# Altium PCB FSAES-22-E17 Temp Module PCB.PcbDoc (part 2 of 3) (continued)
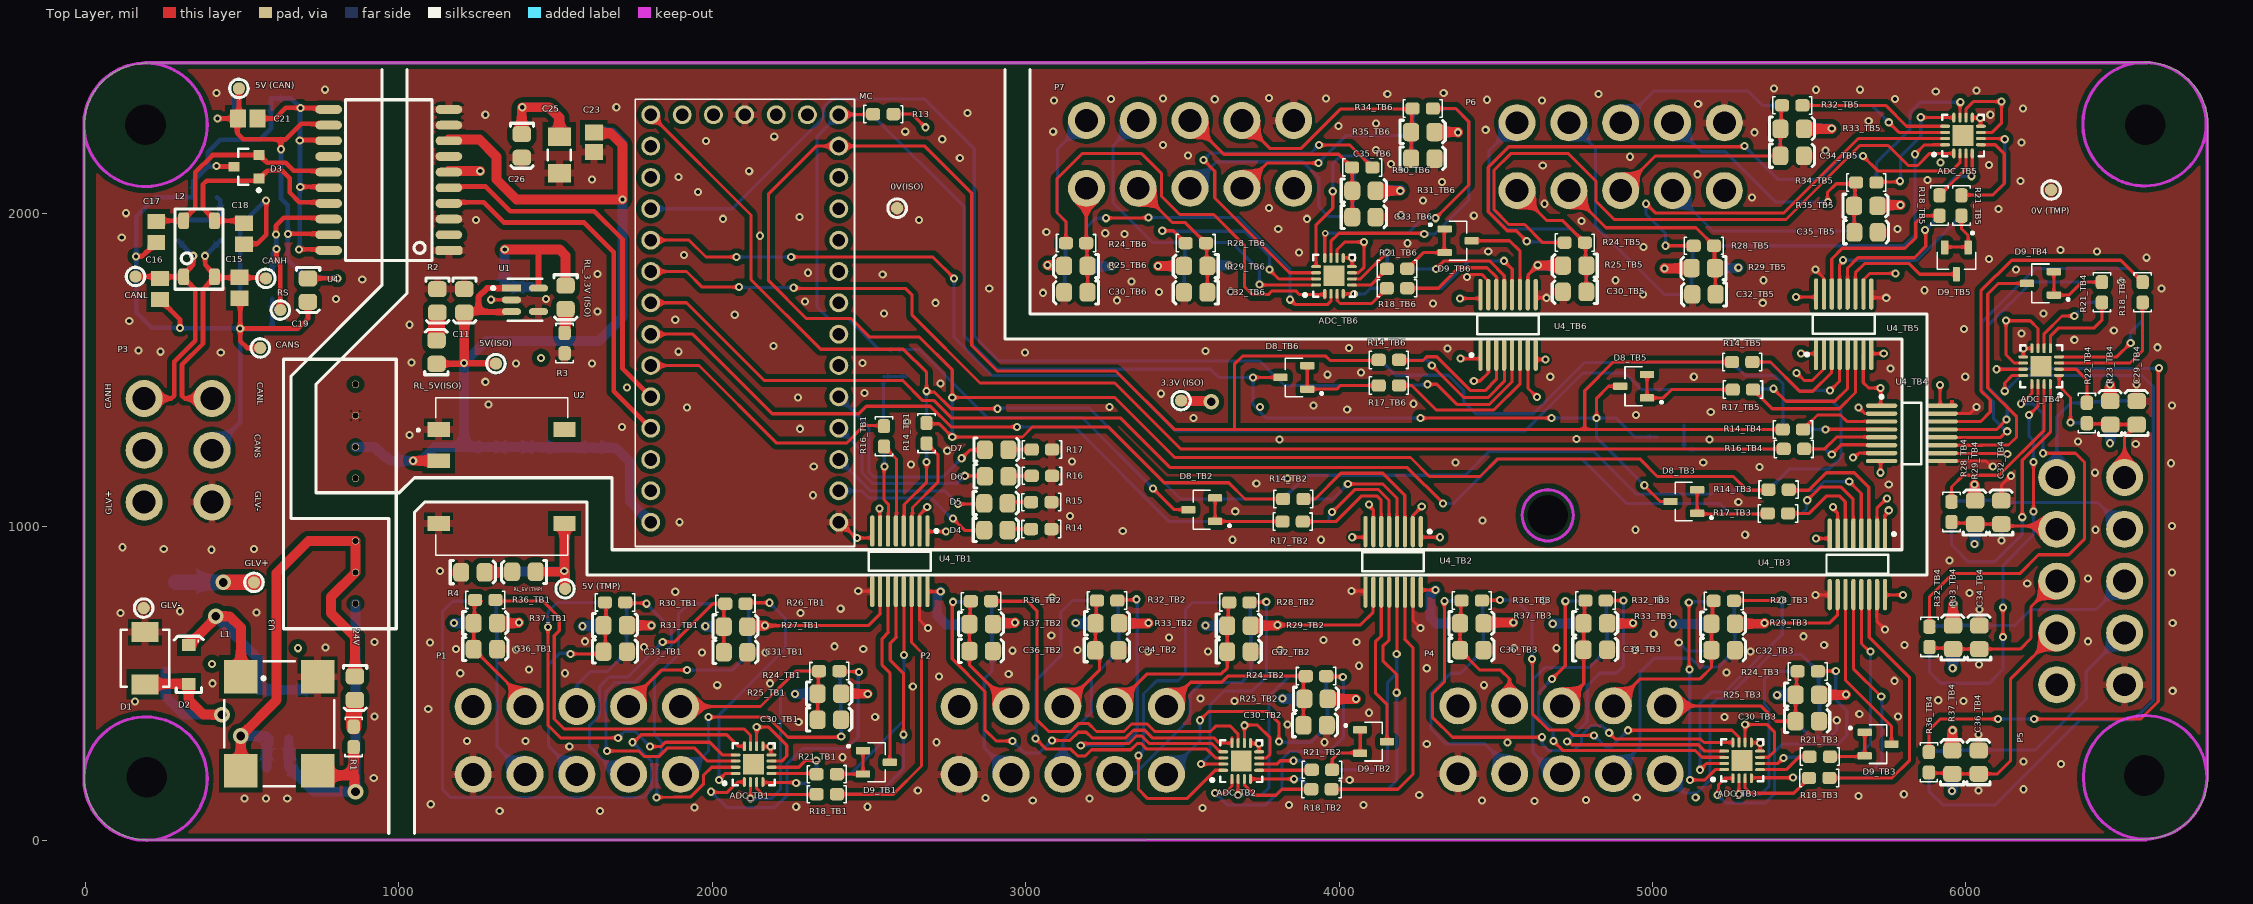
[diagram p0: Top Layer view]
## Nets (pads, with @x,y where several pads share a name; then routed paths per layer and width w, separated by ;. In a path a pad name is that pad's centre, name@x,y a point inside that pad or via, vN(x,y) a via of type N, cw(c..) or ccw(c..) an arc to the next point about the centre after c; other vN are vias at no path point) (continued)
"CS (ADC)_TB6": ADC_TB6.13 R20_TB6.1 | length 146.8
  Top Layer w10: ADC_TB6.13@4013.61,1742.46 4047.54,1742.46 v1(4048,1742)
  Bottom Layer w10: v1(4048,1742) 4082,1742 4100.47,1760.47 R20_TB6.1@4152.61,1760.47
"CS (SIGNAL ISO)_TB1": R20_TB1.2 U4_TB1.12 | length 837.8
  Top Layer w10: U4_TB1.12@2586,793.09 2586,648.38 2587.4,646.98 2568,627.57 2568,574 2610,532 v1(2610,336)
  Bottom Layer w10: R20_TB1.2@2398.48,146 2530,146 2610,226 v1(2610,336)
"CS (SIGNAL ISO)_TB2": R20_TB2.2 U4_TB2.12 | length 846.8
  Top Layer w10: U4_TB2.12@4160,791.09 4160,638 4140,618 4140,572 4184,528 v1(4184,470)
  Bottom Layer w10: R20_TB2.2@3976.43,162 4156,162 4184,190 v1(4184,470)
"CS (SIGNAL ISO)_TB3": R20_TB3.2 U4_TB3.12 | length 758.6
  Top Layer w10: U4_TB3.12@5641.21,783.09 5641.21,546.79 v1(5730,458)
  Bottom Layer w10: R20_TB3.2@5564.48,198 5678,198 5732,252 5732,456 v1(5730,458)
"CS (SIGNAL ISO)_TB4": R20_TB4.2 U4_TB4.12 | length 1201.1
  Top Layer w10: U4_TB4.12@5924,1284.8 6110.55,1284.8 ; 6111.01,1285.4 6129.61,1304 v1(6132,1304)
  Bottom Layer w10: v1(6132,1304) 6128.41,1304 6088.49,1343.92 6088.49,1397.51 6052,1434 6052,1654 6222,1824 6520.48,1824 6546.36,1798.12 6546.69,1798.12 6564,1780.81 R20_TB4.2@6564,1780.48
"CS (SIGNAL ISO)_TB5": R20_TB5.2 U4_TB5.12 | length 489.1
  Top Layer w10: U4_TB5.12@5622.41,1732 5622.41,1824.82 5655.59,1858 5836,1858 5872,1894 5872,1944 v1(5870,1946)
  Bottom Layer w10: v1(5870,1946) 5898.36,1974.36 5898.69,1974.36 5916,1991.67 R20_TB5.2@5916,1992
"CS (SIGNAL ISO)_TB6": R20_TB6.2 U4_TB6.12 | length 475.2
  Top Layer w10: v1(4526,1848) 4526,1847.67 4552.6,1821.08 U4_TB6.12@4552.6,1728.46
  Bottom Layer w10: R20_TB6.2@4217.57,1760.47 4328.47,1760.47 4416,1848 v1(4526,1848)
CTX1: MC.22 U4.5 | length 1165.3
  Top Layer w15: U4.5@1158.02,2085 1277,2085 1356,2006 1624,2006 1714,1916 1714,1504 MC.22@1804,1414
G1: 0V(ISO).1 C6.2 C7.1 C8.1 C9.1 C10.2 C11.1 C12.2 C23.1 C24.2 C25.2 C26.2 C27.2 C28.2 MC.G1 MC.G2 R2.1 R3.1 R14.1 R15.1 R16.1 R17.1 U1.2 U1.4 U2.1 U3.7 U4.1 U4.3 U4.7 U4.9 U4.10 U4_TB1.2 U4_TB1.8 U4_TB2.2 U4_TB2.8 U4_TB3.2 U4_TB3.8 U4_TB4.2 U4_TB4.8 U4_TB5.2 U4_TB5.8 U4_TB6.2 U4_TB6.8 | length 1144.5
  Top Layer w10: v1(1294,1724) 1294.3,1723.7 1359.06,1723.7 U1.2@1359.36,1723.4 ; MC.G1@2404,1014 2408,1014 2458,964 2510.27,964 U4_TB1.8@2511.81,962.46 ; U4_TB1.2@2662.99,962.46 2662.31,963.14 2662.31,1038.31 v1(2686,1062) ; v1(4042,966) 4082.27,966 U4_TB2.8@4083.81,964.46 ; U4_TB2.2@4234.99,964.46 4234.99,1034.99 v1(4264,1064) ; v1(4430,1464) 4430.79,1464.79 4450.79,1464.79 4475.12,1489.12 4475.12,1489.32 4477.01,1491.21 U4_TB6.2@4477.01,1535.54 ; U4_TB6.8@4628.19,1535.54 4628.19,1534.65 4629.93,1532.9 v1(4658.42,1532.9) ; v1(5460,1490) 5484,1466 5510,1466 5545.32,1501.32 5545.32,1502.87 5546.82,1504.36 U4_TB5.2@5546.82,1539.09 ; v1(5522,962) 5563.59,962 U4_TB3.8@5564.87,960.71 ; v1(5658,1380) 5677.01,1360.99 U4_TB4.2@5753.54,1360.99 ; U4_TB5.8@5698,1539.09 5698,1549.86 5700.14,1552 v1(5738,1552) ; U4_TB3.2@5716.05,960.71 5716.05,1058.05 v1(5748,1090) ; v1(5728,1172) 5728,1207.47 5729.89,1209.35 U4_TB4.8@5754,1209.35
  other v1: 3660,958 3942,958 2462,964 5296,974 3310,986 4946,990 1896,1014 4458,1020 3142,1034 3668.81,1048.8 5274,1078 2322,1100 5754,1134 3736,1138 3836,1154 5342,1190 2324,1192 2634,1198 4372,1204 5162,1204 3148,1208 2750,1242 3810,1278 5182,1278 4758,1280 1034,1292 2280,1312 1712,1318 2622,1334 3536,1346 4948,1356 5186,1366 4026,1374 1920,1380 3268,1382 3918,1386 1286,1390 4238,1392 2274,1412 3432,1424 2486,1426 1728,1444 2728,1456 1276,1462 4674,1478 5132,1478 3963.04,1484.7 4070,1492 5760,1504 1374,1520 1616,1520 2480,1522 1040,1524 2998,1556 1892,1558 3574,1560 4346,1568 4032,1570 2196,1576 1034,1644 1882,1660 2072,1676 2548,1680 1634,1686 2712,1714 2296,1718 1470,1726 2884,1760 2544,1804 1634,1806 2306,1810 1910,1866 2152,1928 1246,1978 2660.16,1978 2034,1982 2278,1988 1955.19,2067.02 1616,2108 1892,2116 2118,2134 2790,2176 1980,2230 2734,2236 2198,2244 2616,2260 1276,2314 2814,2320 1694,2338
GLV+: F1.1 GLV+.1 P3.1 | length 256.1
  Top Layer w50: P3.1@187.46,1078 P3.1@191.8,1073.66 ; v3(440,822) GLV+.1@538,822
  Bottom Layer w50: F1.1@288,822 v3(440,822)
GLV-: C1.1 C2.1 C3.2 D1.1 GLV-.1 L1.4 P3.4
  other v1: 508,132 576,132 644,132 920,198 922,394 158,442 406,500 766,614 922,632 112,724 546,726 302,730 402,926 250,928 538,928 118,934 432,1556 240,1558 170,1562 140,1656 800,1726 883.3,1788.37 116,1922 130,2000 418,2384 764,2394
LED1: D4.A MC.0 | length 516.6
  Top Layer w10: v1(2768,1026) 2806,988 2867,988 D4.A@2868,989
  Bottom Layer w10: MC.0@2404,1114 2477.03,1114 2500,1091.03 2698.97,1091.03 2764,1026 v1(2768,1026)
LED2: D5.A MC.1 | length 523.6
  Top Layer w10: v1(2784,1072) 2866,1072 D5.A@2868,1074
  Bottom Layer w10: MC.1@2404,1214 2504,1114 2742,1114 v1(2784,1072)
LED3: D6.A MC.2 | length 597.6
  Top Layer w10: v1(2806,1162) D6.A@2868,1162 ; D6.A@2864,1166 D6.A@2868,1162 ; D6.A@2870,1160 D6.A@2868,1162 ; D6.A@2870,1162 D6.A@2868,1162
  Bottom Layer w10: MC.2@2404,1314 2478,1240 2478,1171.28 2511.28,1138 2782,1138 v1(2806,1162)
LED4: D7.A MC.3 | length 692
  Top Layer w10: v1(2796,1218) 2822,1244 2869,1244 D7.A@2870,1245
  Bottom Layer w10: MC.3@2404,1414 2500,1318 2500,1174.74 2516.74,1158 2736,1158 v1(2796,1218)
MISO: D8_TB1.3 D8_TB2.3 D8_TB3.3 D8_TB4.3 D8_TB5.3 D8_TB6.3 MC.12 R13.1 | length 6142.3
  Top Layer w10: MC.12@2404,2314 2405,2315 2512.52,2315 R13.1@2513.52,2316 ; v1(3406,1122) 3474,1054 D8_TB2.3@3519.28,1054 ; v1(3726,1476) D8_TB6.3@3813.28,1476 ; v1(4260,1346) v1(4678,1346) ; v1(4822,1346) 4822,1410 4860,1448 D8_TB5.3@4878,1448 ; D8_TB5.3@4896.28,1449 D8_TB5.3@4897.28,1448 ; v1(4974,1131.99) 4974,1130.43 5024.43,1080 D8_TB3.3@5057.28,1080
  Bottom Layer w10: v1(3406,1122) 3180,1348 2878,1348 2661.28,1564.72 D8_TB1.3@2584,1564.72 2532.9,1564.72 2433.62,1664 2371.7,1664 2334,1701.69 2334,2244 MC.12@2404,2314 2510,2314 2804,2020 2804,1608 2910,1502 3590,1502 3616,1476 v1(3726,1476) 3726,1388 3768,1346 v1(4260,1346) ; v1(4678,1346) v1(4822,1346) ; v1(4974,1131.99) 4822,1283.99 v1(4822,1346) ; D8_TB4.3@5015.28,1286 4944,1286 4884,1346 v1(4822,1346)
  other v1: 3748,1382
"MISO (ADC)_TB1": ADC_TB1.12 R21_TB1.2 | length 145
  Top Layer w10: ADC_TB1.12@2189.09,212.47 2330.57,212.47 R21_TB1.2@2333.04,210
"MISO (ADC)_TB2": ADC_TB2.12 R21_TB2.2 | length 185.5
  Top Layer w10: ADC_TB2.12@3745.09,222.47 R21_TB2.2@3925.56,222.47 ; R21_TB2.2@3909.56,220.47 R21_TB2.2@3913.09,224
"MISO (ADC)_TB3": ADC_TB3.12 R21_TB3.2 | length 175.6
  Top Layer w10: ADC_TB3.12@5343.09,224.47 5426.47,224.47 5468,266 R21_TB3.2@5501.52,266
"MISO (ADC)_TB4": ADC_TB4.12 R21_TB4.2 | length 280.9
  Top Layer w10: ADC_TB4.12@6269.53,1569.09 6269.53,1607.53 6296,1634 6410,1634 6434,1658 R21_TB4.2@6434,1715.04
"MISO (ADC)_TB5": ADC_TB5.12 R21_TB5.2 | length 333.1
  Top Layer w10: R21_TB5.2@5986,2058 6086,2058 6122.6,2094.6 6122.6,2189.4 6119.67,2192.33 6093.69,2218.32 ADC_TB5.12@6048,2218.32
"MISO (ADC)_TB6": ADC_TB6.12 R21_TB6.2 | length 133.3
  Top Layer w10: ADC_TB6.12@4041.09,1770.47 4100.65,1770.47 4135.02,1804.83 4135.02,1805.17 4152.32,1822.47 R21_TB6.2@4152.65,1822.47
"MISO (SIGNAL ISO)_TB1": D9_TB1.3 U4_TB1.11 | length 564.3
  Top Layer w10: U4_TB1.11@2560.8,793.09 2560.8,664.01 2562.2,662.61 2542,642.4 2542,558 2566.72,533.28 D9_TB1.3@2566.72,248
"MISO (SIGNAL ISO)_TB2": D9_TB2.3 U4_TB2.11 | length 500.1
  Top Layer w10: U4_TB2.11@4134.8,791.09 4134.8,650.8 4116,632 4116,470 4152.72,433.28 D9_TB2.3@4152.72,314
"MISO (SIGNAL ISO)_TB3": D9_TB3.3 U4_TB3.11 | length 537.9
  Top Layer w10: 5616,509.32 5762.72,362.6 D9_TB3.3@5762.72,306 ; 5616.02,509.33 U4_TB3.11@5616.02,783.09
"MISO (SIGNAL ISO)_TB4": D9_TB4.3 U4_TB4.11 | length 882.4
  Top Layer w10: U4_TB4.11@5924,1259.61 6052.33,1259.61 6052.93,1260.2 6136.2,1260.2 6162,1286 6162,1350 6070,1442 6070,1742 6104,1776 D9_TB4.3@6195.28,1776
"MISO (SIGNAL ISO)_TB5": D9_TB5.3 U4_TB5.11 | length 427
  Top Layer w10: U4_TB5.11@5647.61,1732 5647.61,1809.61 5678,1840 5818,1840 5852.72,1805.28 D9_TB5.3@5970,1805.28
"MISO (SIGNAL ISO)_TB6": D9_TB6.3 U4_TB6.11 | length 318.8
  Top Layer w10: D9_TB6.3@4422.72,1912 4544,1912 4577.8,1878.2 U4_TB6.11@4577.8,1728.46
MOSI: MC.11 R14_TB1.1 R14_TB2.1 R14_TB3.1 R14_TB4.1 R14_TB5.1 R14_TB6.1 | length 10503.7
  Top Layer w10: R14_TB1.1@2684,1328 2724,1328 v1(2766,1286) 2990,1286 3022,1318 3264,1318 3442,1140 3648,1140 3700,1088 R14_TB2.1@3821.52,1088 ; 3473.7,1310.64 3287.92,1496.42 2909.58,1496.42 2828,1578 2828,2064 2678,2214 MC.11@2404,2214 2332,2214 2180,2062 2180,1784 2300,1664 2443.39,1664 2502.89,1604.5 2661.5,1604.5 2766,1500 v1(2766,1412) 3284.34,1412 3475.92,1220.42 4227.92,1220.42 4288.35,1159.98 4449.98,1159.98 4506,1216 4959.84,1216 5015.85,1159.98 5258.35,1159.98 5302.34,1116 R14_TB3.1@5370,1116 ; 3474.4,1309.94 3666,1309.94 3666,1518 3692,1544 3957.57,1544 3971.71,1529.86 R14_TB6.1@4126.55,1529.86 ; 3667,1309.94 4633.49,1309.94 ; 4634.49,1309.94 4784,1309.94 ; R14_TB5.1@5253.71,1525.21 4875.21,1525.21 4784,1434 4784,1309.94 ; R14_TB4.1@5415.67,1309.94 4784,1309.94
  Bottom Layer w10: v1(2766,1286) v1(2766,1412)
"MOSI (ADC)_TB1": ADC_TB1.14 R18_TB1.1 | length 220.3
  Top Layer w10: ADC_TB1.14@2141.84,184.91 2141.84,164.39 2161.35,144.88 2331.92,144.88 R18_TB1.1@2333.04,146
"MOSI (ADC)_TB2": ADC_TB2.14 R18_TB2.1 | length 254
  Top Layer w10: ADC_TB2.14@3697.84,194.91 3697.84,176.16 3731,143 3799,143 3818,162 R18_TB2.1@3911.47,162
"MOSI (ADC)_TB3": ADC_TB3.14 R18_TB3.1 | length 262.2
  Top Layer w10: ADC_TB3.14@5295.84,196.91 5295.84,165.74 5312.47,149.12 5450.64,149.12 5481.88,180.36 5481.88,180.69 5499.19,198 R18_TB3.1@5499.52,198
"MOSI (ADC)_TB4": ADC_TB4.14 R18_TB4.1 | length 436.6
  Top Layer w10: ADC_TB4.14@6297.09,1521.84 6523.84,1521.84 6564,1562 R18_TB4.1@6564,1715.04
"MOSI (ADC)_TB5": ADC_TB5.14 R18_TB5.1 | length 169.1
  Top Layer w10: R18_TB5.1@5916,2056.96 5916,2057.29 5933.31,2074.6 5933.64,2074.6 6000.76,2141.72 ADC_TB5.14@6000.76,2190.76
"MOSI (ADC)_TB6": ADC_TB6.14 R18_TB6.1 | length 204.5
  Top Layer w10: ADC_TB6.14@3993.84,1742.91 3993.92,1742.83 3993.92,1721.28 4003.2,1712 4104.13,1712 4134.97,1742.83 4134.97,1743.17 4152.27,1760.47 R18_TB6.1@4152.61,1760.47
"MOSI (SIGNAL ISO)_TB1": R18_TB1.2 U4_TB1.14 | length 877.5
  Top Layer w10: R18_TB1.2@2398,146 2578,146 2668,236 2668,598.4 2636.39,630.01 U4_TB1.14@2636.39,793.09
"MOSI (SIGNAL ISO)_TB2": R18_TB2.2 U4_TB2.14 | length 871.6
  Top Layer w10: R18_TB2.2@3976.43,162 4188,162 4236,210 4236,614 4209.8,640.2 4210.39,640.8 U4_TB2.14@4210.39,791.09
"MOSI (SIGNAL ISO)_TB3": R18_TB3.2 U4_TB3.14 | length 861.3
  Top Layer w10: R18_TB3.2@5564.48,198 5764,198 5820.43,254.43 5820.43,517.57 5691.61,646.39 U4_TB3.14@5691.61,783.09
"MOSI (SIGNAL ISO)_TB4": R18_TB4.2 U4_TB4.14 | length 1151
  Top Layer w10: U4_TB4.14@5924,1335.2 6047.2,1335.2 6078,1366 6078,1404 6048,1434 6048,1752 6146,1850 6494,1850 6546.36,1797.64 6546.69,1797.64 6564,1780.33 R18_TB4.2@6564,1780
"MOSI (SIGNAL ISO)_TB5": R18_TB5.2 U4_TB5.14 | length 545.6
  Top Layer w10: U4_TB5.14@5572.02,1737.67 5572.02,1854.02 5606,1888 5806,1888 5840,1922 5840,1970 5862,1992 R18_TB5.2@5916,1992
"MOSI (SIGNAL ISO)_TB6": R18_TB6.2 U4_TB6.14 | length 392.2
  Top Layer w10: R18_TB6.2@4217.57,1760.47 4316.47,1760.47 4382,1826 4472,1826 4502.93,1795.07 4502.93,1729.18 U4_TB6.14@4502.2,1728.46
Net24V_K: 24V.K R1.2 | length 89.2
  Top Layer w50: R1.2@856,361.48 856,446.48 856.59,447.07 24V.K@859.97,447.07
NetADC_TB1_1: ADC_TB1.1 R26_TB1.1 | length 793.5
  Top Layer w10: v1(2022,192) 2042.47,212.47 ADC_TB1.1@2064.17,212.47 ; R26_TB1.1@2114.48,756 2115.48,757 v1(2183,757)
  Bottom Layer w10: v1(2022,192) 2022,400 2234,612 2234,706 v1(2183,757)
NetADC_TB1_2: ADC_TB1.2 R28_TB1.1 | length 1091
  Top Layer w10: v1(1822,136) 1932,138 1934.93,140.93 1972,178 1972,206 1998,232 ADC_TB1.2@2062.91,232
  Bottom Layer w10: v1(1822,136) 1824,138 1824,267.74 1838,281.74 1838,313.46 1816,335.46 1816,516 1892,592 1892,720 1926,754 R28_TB1.1@2041.47,754
NetADC_TB1_3: ADC_TB1.3 R30_TB1.1 | length 1141.8
  Top Layer w10: v1(1664,284) 1766,284 1784,266 1830,266 1858,294 1942.88,294 1985.04,251.84 ADC_TB1.3@2074.91,251.84 ; R30_TB1.1@1728.48,768 1728.48,767.27 1739.75,756 1788,756 v1(1790,754)
  Bottom Layer w10: v1(1664,284) 1661.43,286.57 1661.43,473.43 1690,502 1751.59,502 1869.99,620.41 1869.99,674.01 v1(1790,754)
NetADC_TB1_4: ADC_TB1.4 R32_TB1.1 | length 1218.1
  Top Layer w10: v1(1476,680) 1476,366 1515.99,326.01 v2(1700,326.01) ; v2(1802,298) 1836.54,298 1850.54,312 1992,312 2032.47,271.53 ADC_TB1.4@2074.91,271.53
  Bottom Layer w10: v1(1476,680) 1476,728 1506,758 R32_TB1.1@1653.52,758 ; v2(1700,326.01) 1719.98,345.99 1754.01,345.99 v2(1802,298)
NetADC_TB1_5: ADC_TB1.5 R34_TB1.1 | length 1951.2
  Top Layer w10: v1(1746,312) 1749.59,312 1773.59,336 2046,336 2082.91,299.09 ADC_TB1.5@2102.47,299.09
  Bottom Layer w10: R34_TB1.1@1263.52,762 1243.52,762 1172,762 1140,730 1140,160 1164,136 1782,136 1806,160 1806,252 v1(1746,312)
NetADC_TB1_6: ADC_TB1.6 R36_TB1.1 | length 1219
  Top Layer w10: R36_TB1.1@1328.48,762 1329.48,763 1459,763 1512,710 1512,668 1496,652 1496,386 1528,354 2102,354 2122.16,333.84 ADC_TB1.6@2122.16,299.09
NetADC_TB1_15: ADC_TB1.15 R22_TB1.1 | length 631.3
  Top Layer w10: v1(2122,132) 2122.08,132.08 2122.08,184.83 ADC_TB1.15@2122.16,184.91
  Bottom Layer w10: v1(2122,132) 2188,132 2218,162 2218,488 2268.8,538.8 R22_TB1.1@2340.81,538.8
NetADC_TB1_16: ADC_TB1.16 R24_TB1.1 | length 1034
  Top Layer w10: v1(1996,154) 1998,152 2048,152 2080.91,184.91 ADC_TB1.16@2102.47,184.91 ; R24_TB1.1@2405.82,538.8 2407.22,537.4 2466.6,537.4 v1(2468,536)
  Bottom Layer w10: v1(1996,154) 2046,104 2200,104 2239.12,143.12 2239.12,243.12 2288,292 2428,292 2466,330 2466,534 v1(2468,536)
NetADC_TB2_1: ADC_TB2.1 R26_TB2.1 | length 1145.4
  Top Layer w10: v1(3360,270) 3360,162 3390,132 3514.68,132 3605.08,222.39 3630.83,222.39 ADC_TB2.1@3630.91,222.47
  Bottom Layer w10: v1(3360,270) 3376,286 3376,466 3418,508 3486,508 3510,532 3510,736 3532,758 R26_TB2.1@3649.52,758
NetADC_TB2_2: ADC_TB2.2 R28_TB2.1 | length 782.2
  Top Layer w10: v1(3560,242) 3560.08,242.08 3630.83,242.08 ADC_TB2.2@3630.91,242.16 ; R28_TB2.1@3714.48,758 3715.48,759 3767,759 v1(3768,760)
  Bottom Layer w10: v1(3560,242) 3588,270 3588,430 3634,476 3724,476 3768,520 v1(3768,760)
NetADC_TB2_3: ADC_TB2.3 R30_TB2.1 | length 1224.2
  Top Layer w10: v1(3032,324) 3066,290 3144,290 3166,268 3190,268 3210,288 3336,288 3356,308 3368.54,308 3386.54,290 3578,290 3606.16,261.84 ADC_TB2.3@3630.91,261.84
  Bottom Layer w10: v1(3032,324) 3034,326 3034,510 3112,588 3112,726 3150,764 R30_TB2.1@3227.52,764
NetADC_TB2_4: ADC_TB2.4 R32_TB2.1 | length 1161.7
  Top Layer w10: v1(3176,302) 3180.33,302 3186.33,308 3330,308 3354,332 3370,332 3394,308 3593.77,308 ADC_TB2.4@3620.17,281.61 ; R32_TB2.1@3292.48,764 3294.48,766 3352,766 v1(3354,768)
  Bottom Layer w10: v1(3176,302) 3312,302 3356,346 3356,766 v1(3354,768)
NetADC_TB2_5: ADC_TB2.5 R34_TB2.1 | length 1408.6
  Top Layer w10: v1(2768,760) 2766,758 2766,578 2870,474 2870,352 2906,316 v2(2958,316) ; v2(3084,318.01) 3141.46,318.01 3167.46,344 3194,344 3212,326 3320,326 3344,350 3380,350 3404,326 3601.23,326 3618.14,309.09 ADC_TB2.5@3658.47,309.09 3658.47,326.14
  Bottom Layer w10: v1(2768,760) 2824,760 R34_TB2.1@2826,762 ; v2(2958,316) 2996,278 3043.99,278 v2(3084,318.01)
NetADC_TB2_6: ADC_TB2.6 R36_TB2.1 | length 1252.8
  Top Layer w10: R36_TB2.1@2890,762 3006,762 3036,732 3036,384 3074,346 3144,346 3170,372 3200,372 3226,346 3314,346 3338,370 3388,370 3412,346 3590,346 3608,364 3652,364 3678.16,337.84 ADC_TB2.6@3678.16,309.09
NetADC_TB2_15: ADC_TB2.15 R22_TB2.1 | length 595.1
  Top Layer w10: v1(3678,144) 3678,184.09 3678.08,184.17 3678.08,194.83 ADC_TB2.15@3678.16,194.91
  Bottom Layer w10: v1(3678,144) 3754,144 3776,166 3776,458 3841.03,523.03 R22_TB2.1@3894.05,523.03
NetADC_TB2_16: ADC_TB2.16 R24_TB2.1 | length 903.6
  Top Layer w10: v1(3603.94,150.06) 3636.06,150.06 3658.47,172.47 ADC_TB2.16@3658.47,194.91 ; R24_TB2.1@3959.06,523.03 3960.57,521.52 4010.48,521.52 v1(4012,520)
  Bottom Layer w10: v1(3603.94,150.06) 3605.73,150.06 3643.79,112 3766,112 3818,164 3818,258 3842,282 3968,282 4014,328 4014,518 v1(4012,520)
NetADC_TB3_1: ADC_TB3.1 R26_TB3.1 | length 758.9
  Top Layer w10: v1(5116,758) 5117,757 5117,545 v1(5118,544) ; v1(5120,192) 5167.54,192 5200.01,224.47 ADC_TB3.1@5218.17,224.47
  Bottom Layer w10: v1(5116,758) 5118,760 5192,760 R26_TB3.1@5194,762 ; v1(5118,544) 5119,543 5119,193 v1(5120,192)
NetADC_TB3_2: ADC_TB3.2 R28_TB3.1 | length 915.6
  Top Layer w10: v1(5152,224) 5172.16,244.16 ADC_TB3.2@5228.91,244.16 ; R28_TB3.1@5260.02,762.97 5261.53,764.48 5412.48,764.48 v1(5414,766)
  Bottom Layer w10: v1(5152,224) 5152,436 5188,472 5230,472 5414,656 v1(5414,766)
NetADC_TB3_3: ADC_TB3.3 R30_TB3.1 | length 1132.9
  Top Layer w10: v1(4680,514) 4722,556 v1(4722,762) ; v1(4684,316) 4714,286 5136,286 5158.16,263.84 ADC_TB3.3@5228.91,263.84
  Bottom Layer w10: v1(4680,514) 4636,470 4636,396 4683.21,348.79 4683.21,316.79 v1(4684,316) ; v1(4722,762) 4723,763 4785,763 R30_TB3.1@4786,764
NetADC_TB3_4: ADC_TB3.4 R32_TB3.1 | length 1125.6
  Top Layer w10: v1(4728,314) 4731.85,314 4741.85,304 5146,304 5166.47,283.53 ADC_TB3.4@5228.91,283.53 ; R32_TB3.1@4850.96,764 v1(4908,764)
  Bottom Layer w10: v1(4728,314) 4792,378 4792,492 4832,532 4884,532 4908,556 v1(4908,764)
NetADC_TB3_5: ADC_TB3.5 R34_TB3.1 | length 1526.5
  Top Layer w10: v1(4336,762) 4336,504 4298,466 4298,392 4362,328 v2(4648,328) ; v2(4862,342) 4882,322 5153.46,322 5164.37,311.09 ADC_TB3.5@5256.47,311.09
  Bottom Layer w10: v1(4336,762) 4337,763 4390.04,763 R34_TB3.1@4391.04,764 ; v2(4648,328) 4648,306 4667.99,286.01 4750.01,286.01 4774,310 4774,334.54 4804.73,365.27 4838.73,365.27 v2(4862,342)
  other v1: 4537.53,311.58
NetADC_TB3_6: ADC_TB3.6 R36_TB3.1 | length 1244.9
  Top Layer w10: R36_TB3.1@4456,764 4457,765 4513,765 v1(4514,766) ; v1(4616,578) 4616.84,577.16 4616.84,403.16 4668.8,351.2 4730.39,351.2 4747.59,334 v2(4814,334) ; v2(4922,350) 5254,350 5276.16,327.84 ADC_TB3.6@5276.16,311.09
  Bottom Layer w10: v1(4514,766) 4564,766 4616,714 v1(4616,578) ; v2(4814,334) 4851.24,296.76 4868.76,296.76 v2(4922,350)
NetADC_TB3_15: ADC_TB3.15 R22_TB3.1 | length 610.3
  Top Layer w10: v1(5276,146) 5276.24,146.24 ADC_TB3.15@5276.24,186.17
  Bottom Layer w10: v1(5276,146) 5346,146 5364,164 5372,172 5372,418 5358,432 5358,514 5382,538 R22_TB3.1@5463.52,538
NetADC_TB3_16: ADC_TB3.16 R24_TB3.1 | length 955.7
  Top Layer w10: v1(5208,144) 5211.06,147.06 5211.06,177.06 5230.91,196.91 ADC_TB3.16@5256.47,196.91 ; R24_TB3.1@5528,538 5529,539 v1(5585,539)
  Bottom Layer w10: v1(5208,144) 5234,118 5360.08,118 5379.22,137.14 5390,147.92 5390,282 5414,306 5592,306 5620,334 5620,412 5585,447 v1(5585,539)
NetADC_TB4_1: ADC_TB4.1 R26_TB4.1 | length 862.3
  Top Layer w10: v1(6180,1030) 6180,1212 6269.53,1301.53 ADC_TB4.1@6269.53,1444.17
  Bottom Layer w10: R26_TB4.1@5954.23,1014.32 5954.23,941.77 6008,888 6092,888 6180,976 v1(6180,1030)
NetADC_TB4_2: ADC_TB4.2 R28_TB4.1 | length 564.9
  Top Layer w10: R28_TB4.1@5954.2,1079.28 5954.2,1126.2 5991.93,1163.93 6105.93,1163.93 6249.84,1307.84 ADC_TB4.2@6249.84,1454.91
NetADC_TB4_3: ADC_TB4.3 R30_TB4.1 | length 1315.5
  Top Layer w10: v1(6118,648) v1(6118,742) ; v1(6202,1356) 6230.16,1384.16 ADC_TB4.3@6230.16,1454.91 ; v1(6216,1048) v1(6216,1206)
  Bottom Layer w10: R30_TB4.1@5884,615.52 5884,536 5919.86,500.14 6074.14,500.14 6118,544 v1(6118,648) ; v1(6118,742) 6118,875.45 6216,973.45 v1(6216,1048) ; v1(6202,1356) 6202,1288 6216,1274 v1(6216,1206)
NetADC_TB4_4: ADC_TB4.4 R32_TB4.1 | length 1343
  Top Layer w10: R32_TB4.1@5884,680.48 5884,776 5958,850 6172,850 6232,910 6328,910 6378,960 6378,1206 6350,1234 v1(6246,1234) ; v1(6176,1392) 6178,1392 6210.47,1424.47 ADC_TB4.4@6210.47,1454.91
  Bottom Layer w10: v1(6176,1392) 6214,1392 6246,1360 v1(6246,1234)
NetADC_TB4_5: ADC_TB4.5 R34_TB4.1 | length 2536.8
  Top Layer w10: v1(6124,1432) 6124,1458 6148.47,1482.47 ADC_TB4.5@6182.91,1482.47
  Bottom Layer w10: R34_TB4.1@5882,215.52 5882,156 5926,112 6094,112 6365.5,383.5 6535.5,383.5 6598,446 6598,1446 6562.01,1481.99 6175.99,1481.99 6126,1432 v1(6124,1432)
NetADC_TB4_6: ADC_TB4.6 R36_TB4.1 | length 2509.1
  Top Layer w10: R36_TB4.1@5882,280.48 5882,350 5918,386 v1(6102,386) ; v1(6098,1502) 6138.74,1502 6138.89,1502.16 ADC_TB4.6@6182.91,1502.16 ; v1(6218,386) 6558,386 6614,442 6614,1504 v1(6616,1506)
  Bottom Layer w10: v1(6098,1502) 6100,1504 6614,1504 v1(6616,1506) ; v1(6102,386) v1(6218,386)
NetADC_TB4_15: ADC_TB4.15 R22_TB4.1 | length 176.1
  Top Layer w10: ADC_TB4.15@6297.09,1502.16 6351.84,1502.16 6386,1468 R22_TB4.1@6386,1394.96
NetADC_TB4_16: ADC_TB4.16 R24_TB4.1 | length 218.6
  Top Layer w10: ADC_TB4.16@6297.09,1482.47 6297.09,1448.91 6334,1412 v1(6334,1332)
  Bottom Layer w10: v1(6334,1332) 6335,1331 6385,1331 R24_TB4.1@6386,1330
NetADC_TB5_1: ADC_TB5.1 R26_TB5.1 | length 1020.3
  Top Layer w10: v1@5838.37,2188.37 5867.95,2217.95 5895.57,2217.95 5895.86,2218.24 5933.75,2218.24 ADC_TB5.1@5933.83,2218.32
  Bottom Layer w10: R26_TB5.1@5196.48,1896 5802,1896 5838,1932 v1(5838,2188)
NetADC_TB5_2: ADC_TB5.2 R28_TB5.1 | length 1314
  Top Layer w10: v1(4980,2030) 5010,2000 5418,2000 5656,2238 ADC_TB5.2@5933.83,2238 ; v1(5042,1896) R28_TB5.1@5131.52,1896
  Bottom Layer w10: v1(4980,2030) 4980,1996 5042,1934 v1(5042,1896)
NetADC_TB5_3: ADC_TB5.3 R30_TB5.1 | length 491.1
  Top Layer w10: v1(5754,2290) 5786.31,2257.68 ADC_TB5.3@5933.83,2257.68
  Bottom Layer w10: R30_TB5.1@5478.48,2344 5700,2344 v1(5754,2290)
NetADC_TB5_4: ADC_TB5.4 R32_TB5.1 | length 482.9
  Top Layer w10: R32_TB5.1@5478.48,2344 5744,2344 5810.63,2277.37 ADC_TB5.4@5933.83,2277.37
NetADC_TB5_5: ADC_TB5.5 R34_TB5.1 | length 414.3
  Top Layer w10: R34_TB5.1@5714.48,2098 5716.48,2100 5788,2100 v1(5790,2102) ; v1(5856,2306) 5857.07,2304.93 ADC_TB5.5@5961.39,2304.93
  Bottom Layer w10: v1(5790,2102) 5792,2104 5792,2181.59 5856,2245.59 v1(5856,2306)
NetADC_TB5_6: ADC_TB5.6 R36_TB5.1 | length 489.7
  Top Layer w10: ADC_TB5.6@5981.07,2304.93 5981.15,2305.01 5981.15,2353.03 v1(5982.23,2354.11)
  Bottom Layer w10: R36_TB5.1@5714.48,2100 5714.48,2160.48 5822,2268 5822,2322 5854.11,2354.11 v1(5982.23,2354.11)
NetADC_TB5_15: ADC_TB5.15 R22_TB5.1 | length 2094.4
  Top Layer w10: v1(4598.94,1910.55) 4565.49,1944 4536.54,1944 4476,2004.54 4476,2146 4542,2212 5292,2212 v1(5294,2214) ; v1(5672,2182) 5720,2134 5954,2134 5981.07,2161.07 ADC_TB5.15@5981.07,2190.76
  Bottom Layer w10: v1(4598.94,1910.55) 4601.21,1908.27 4717.24,1908.27 R22_TB5.1@4719.52,1906 ; v1(5294,2214) 5400,2108 5532,2108 5606,2182 v1(5672,2182)
NetADC_TB5_16: ADC_TB5.16 R24_TB5.1 | length 2148
  Top Layer w10: R24_TB5.1@4719.52,1906 4650,1906 4592,1964 4542,1964 4494,2012 4494,2136 4548,2190 4732,2190 4820,2102 4820,2038 4878,1980 5426,1980 5662,2216 5752,2216 5816,2152 5846,2152 5884.76,2190.76 ADC_TB5.16@5961.39,2190.76
NetADC_TB6_1: ADC_TB6.1 R26_TB6.1 | length 424.1
  Top Layer w10: v1(3746,1772) 3747.53,1770.47 ADC_TB6.1@3916.17,1770.47
  Bottom Layer w10: R26_TB6.1@3575.39,1906.47 3657.53,1906.47 3746,1818 v1(3746,1772)
NetADC_TB6_2: ADC_TB6.2 R28_TB6.1 | length 659.9
  Top Layer w10: v1(3436,1944) 3470.91,1944 3492.8,1922.11 3492.8,1921.78 3510.1,1904.47 R28_TB6.1@3510.43,1904.47 ; v1(3778,1820) 3808,1790 3915.93,1790 3916.01,1790.08 ADC_TB6.2@3916.17,1790.08
  Bottom Layer w10: v1(3436,1944) 3437.67,1942.33 3698.21,1942.33 3778,1862.54 v1(3778,1820)
NetADC_TB6_3: ADC_TB6.3 R30_TB6.1 | length 1136.6
  Top Layer w10: v1(3568,2170) 3600.6,2137.4 3603.53,2134.47 3603.53,2048.47 3842,1810 3915.93,1810 3916.01,1809.92 ADC_TB6.3@3916.17,1809.92 ; v1(3936.18,2217.81) 3936.99,2217 4035.15,2217 4088.84,2163.31 4105.72,2146.43 R30_TB6.1@4107.57,2146.43
  Bottom Layer w10: v1(3568,2170) 3590,2192 3910.36,2192 v1(3936.18,2217.81)
NetADC_TB6_4: ADC_TB6.4 R32_TB6.1 | length 508.9
  Top Layer w10: ADC_TB6.4@3926.91,1829.53 3926.91,1962.91 3980,2016 v1(3980,2070)
  Bottom Layer w10: v1(3980,2070) 3980,2158 4004,2182 4078.04,2182 4095.93,2164.11 4095.93,2163.78 4113.23,2146.47 R32_TB6.1@4113.57,2146.47
NetADC_TB6_5: ADC_TB6.5 R34_TB6.1 | length 936.8
  Top Layer w10: ADC_TB6.5@3954.47,1857.09 3954.47,1934.47 v4(3956,1936) ; R34_TB6.1@4299.42,2334 4372,2334 4413.86,2292.14 4413.86,2089.86 v1(4308,1984)
  Bottom Layer w10: v4(3956,1936) 4220,1936 4270,1986 4306,1986 v1(4308,1984)
NetADC_TB6_6: ADC_TB6.6 R36_TB6.1 | length 919.4
  Top Layer w10: ADC_TB6.6@3974.16,1865.09 3974.16,1910.16 4000,1936 4270,1936 v1(4272,1934)
  Bottom Layer w10: v1(4272,1934) 4306,1934 4414,2042 4414,2294 4376,2332 R36_TB6.1@4303.54,2332
NetADC_TB6_15: ADC_TB6.15 R22_TB6.1 | length 1034.3
  Top Layer w10: v1(3256,1984) 3257,1985 3391,1985 v1(3392,1986) ; v1(3844,1724) 3859.12,1708.88 3964,1708.88 3974.16,1719.04 ADC_TB6.15@3974.16,1732.17
  Bottom Layer w10: R22_TB6.1@3194.44,1902.47 3194.44,1954.44 3224,1984 v1(3256,1984) ; v1(3392,1986) 3680,1986 3844,1822 v1(3844,1724)
NetADC_TB6_16: ADC_TB6.16 R24_TB6.1 | length 1441.7
  Top Layer w10: R24_TB6.1@3128.43,1904.47 3128.43,1973.57 3100,2002 3100,2110 3180,2190 3370.14,2190 3433.07,2127.07 3433.07,2054.93 3492,1996 3600,1996 3698,1898 3698,1766 3724,1740 3774,1740 3786,1752 3862,1752 3873.61,1740.39 ADC_TB6.16@3954.47,1740.39 ; ADC_TB6.16@3954.47,1729.86 ADC_TB6.16@3954.47,1740.39 ; ADC_TB6.16@3954.47,1750.91 ADC_TB6.16@3954.47,1742.91 ADC_TB6.16@3954.47,1740.39